# KiCad board FC_V5.kicad_pcb
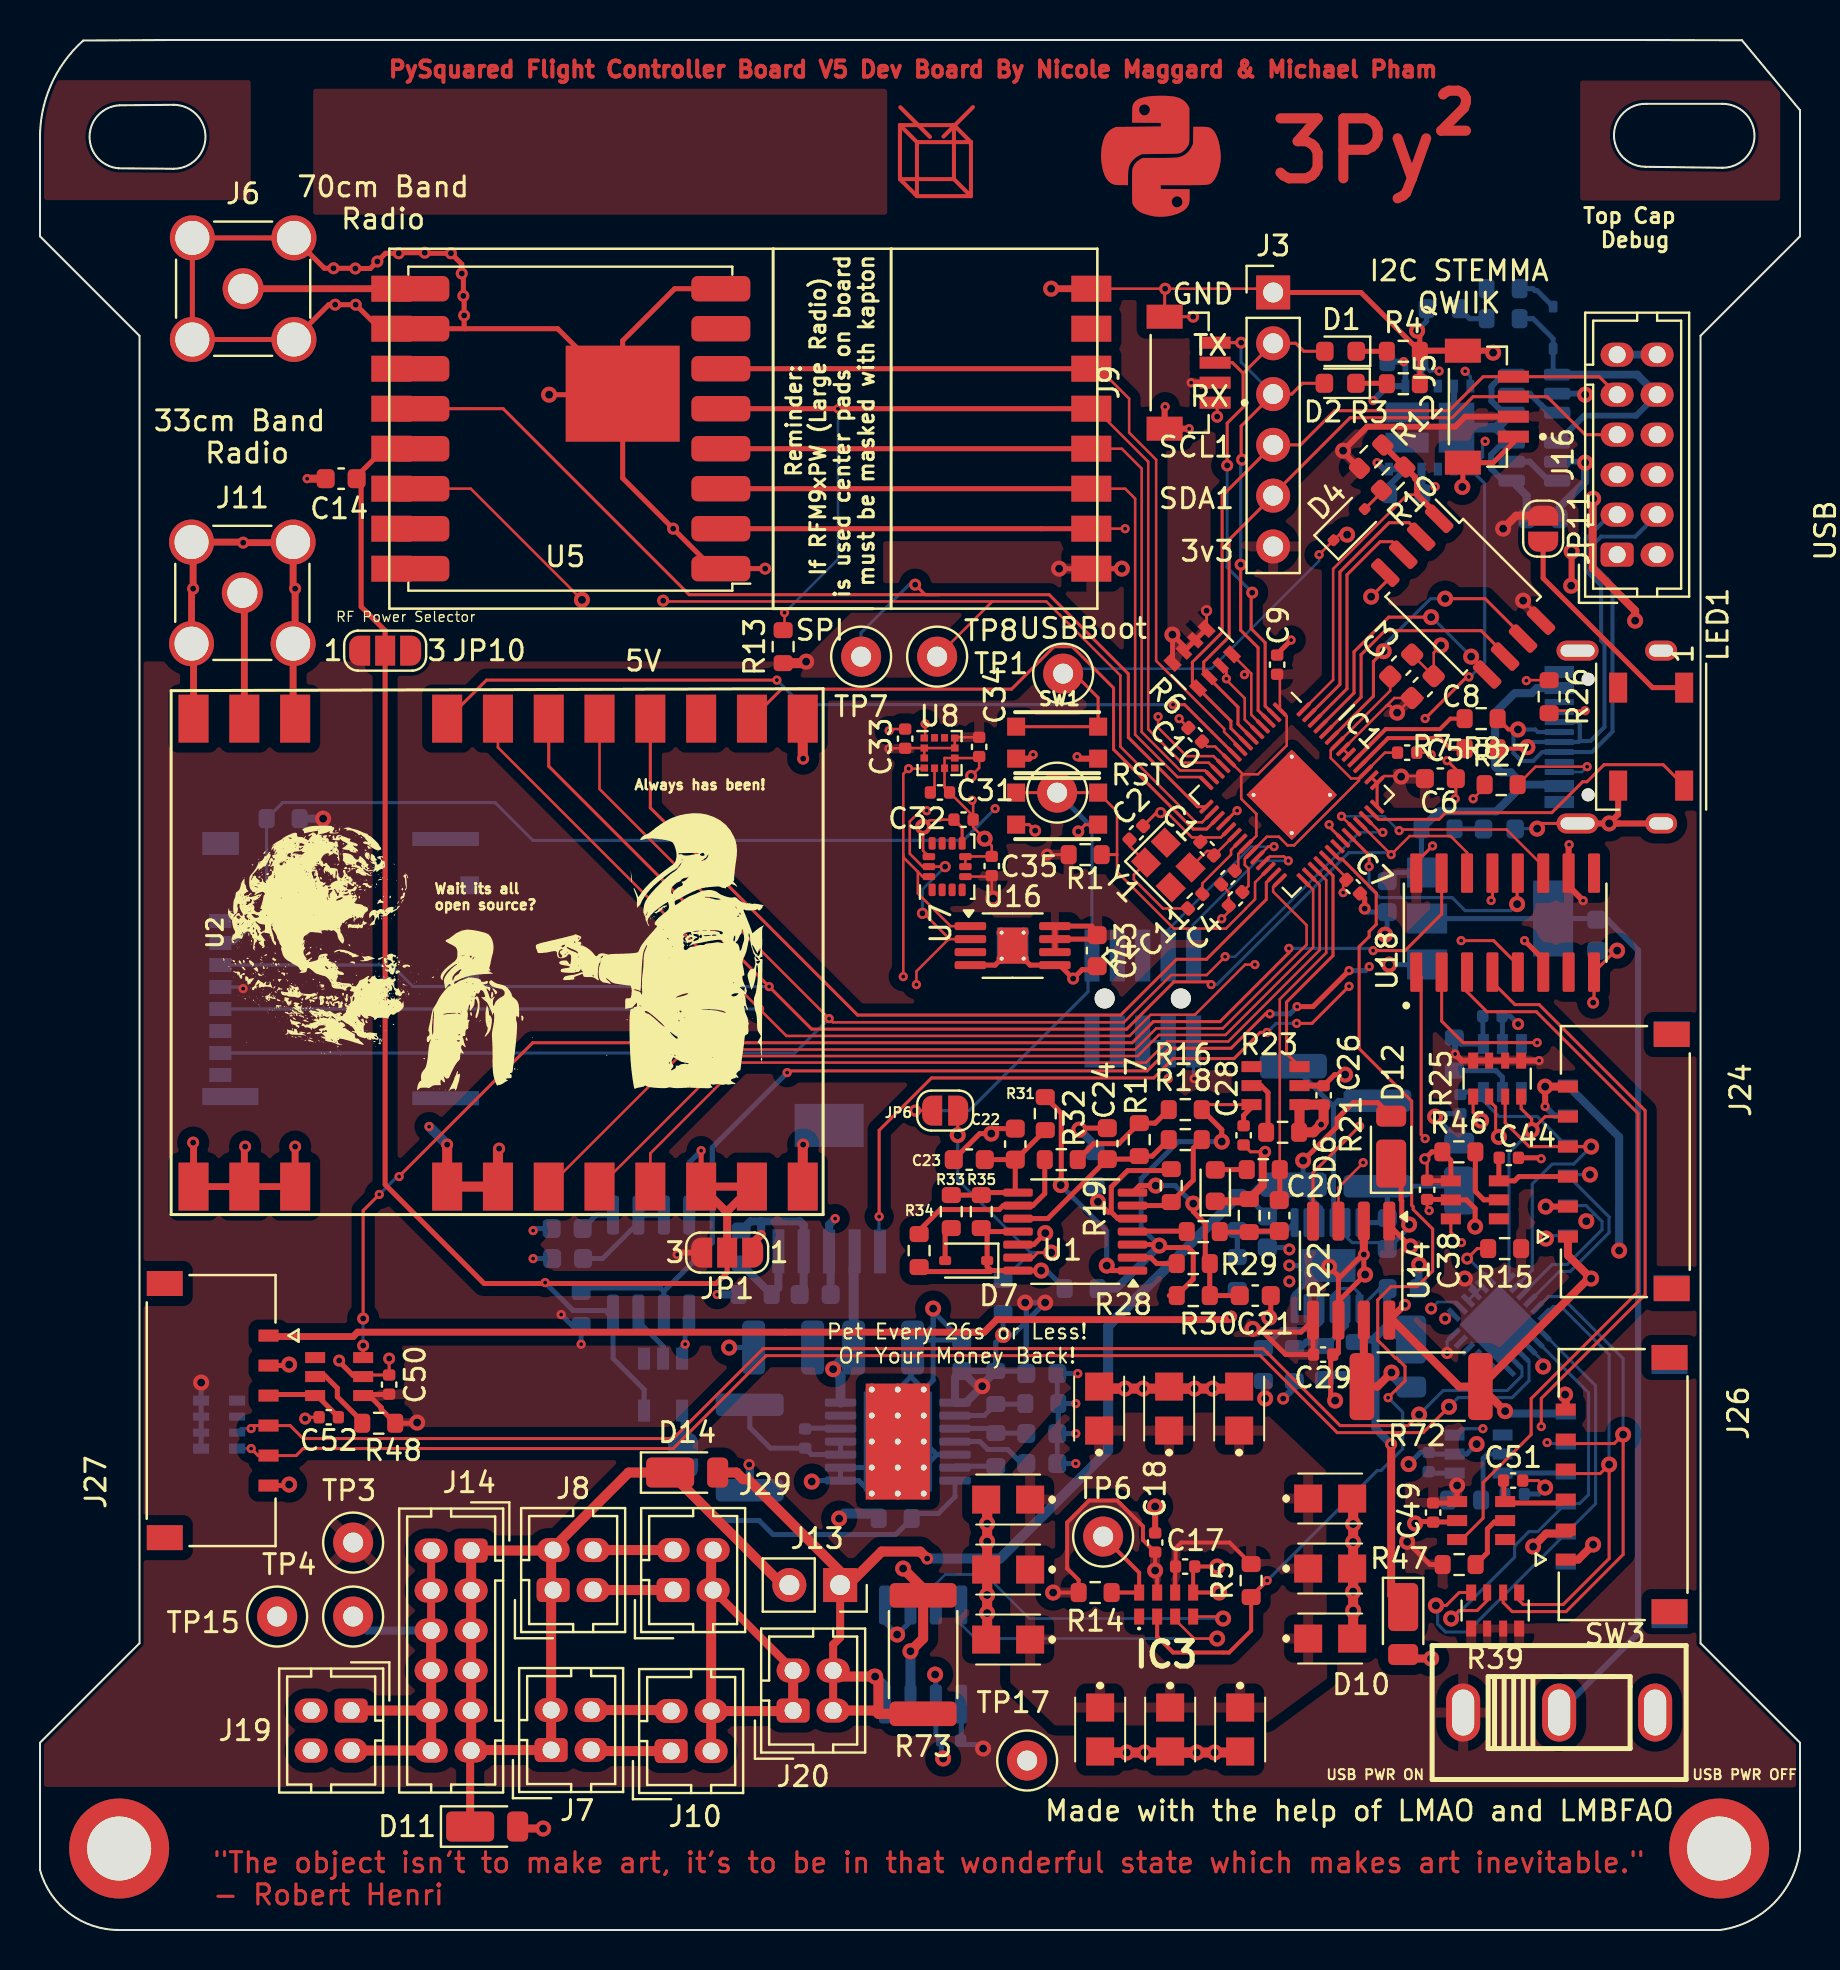
[diagram p0: board, top side]
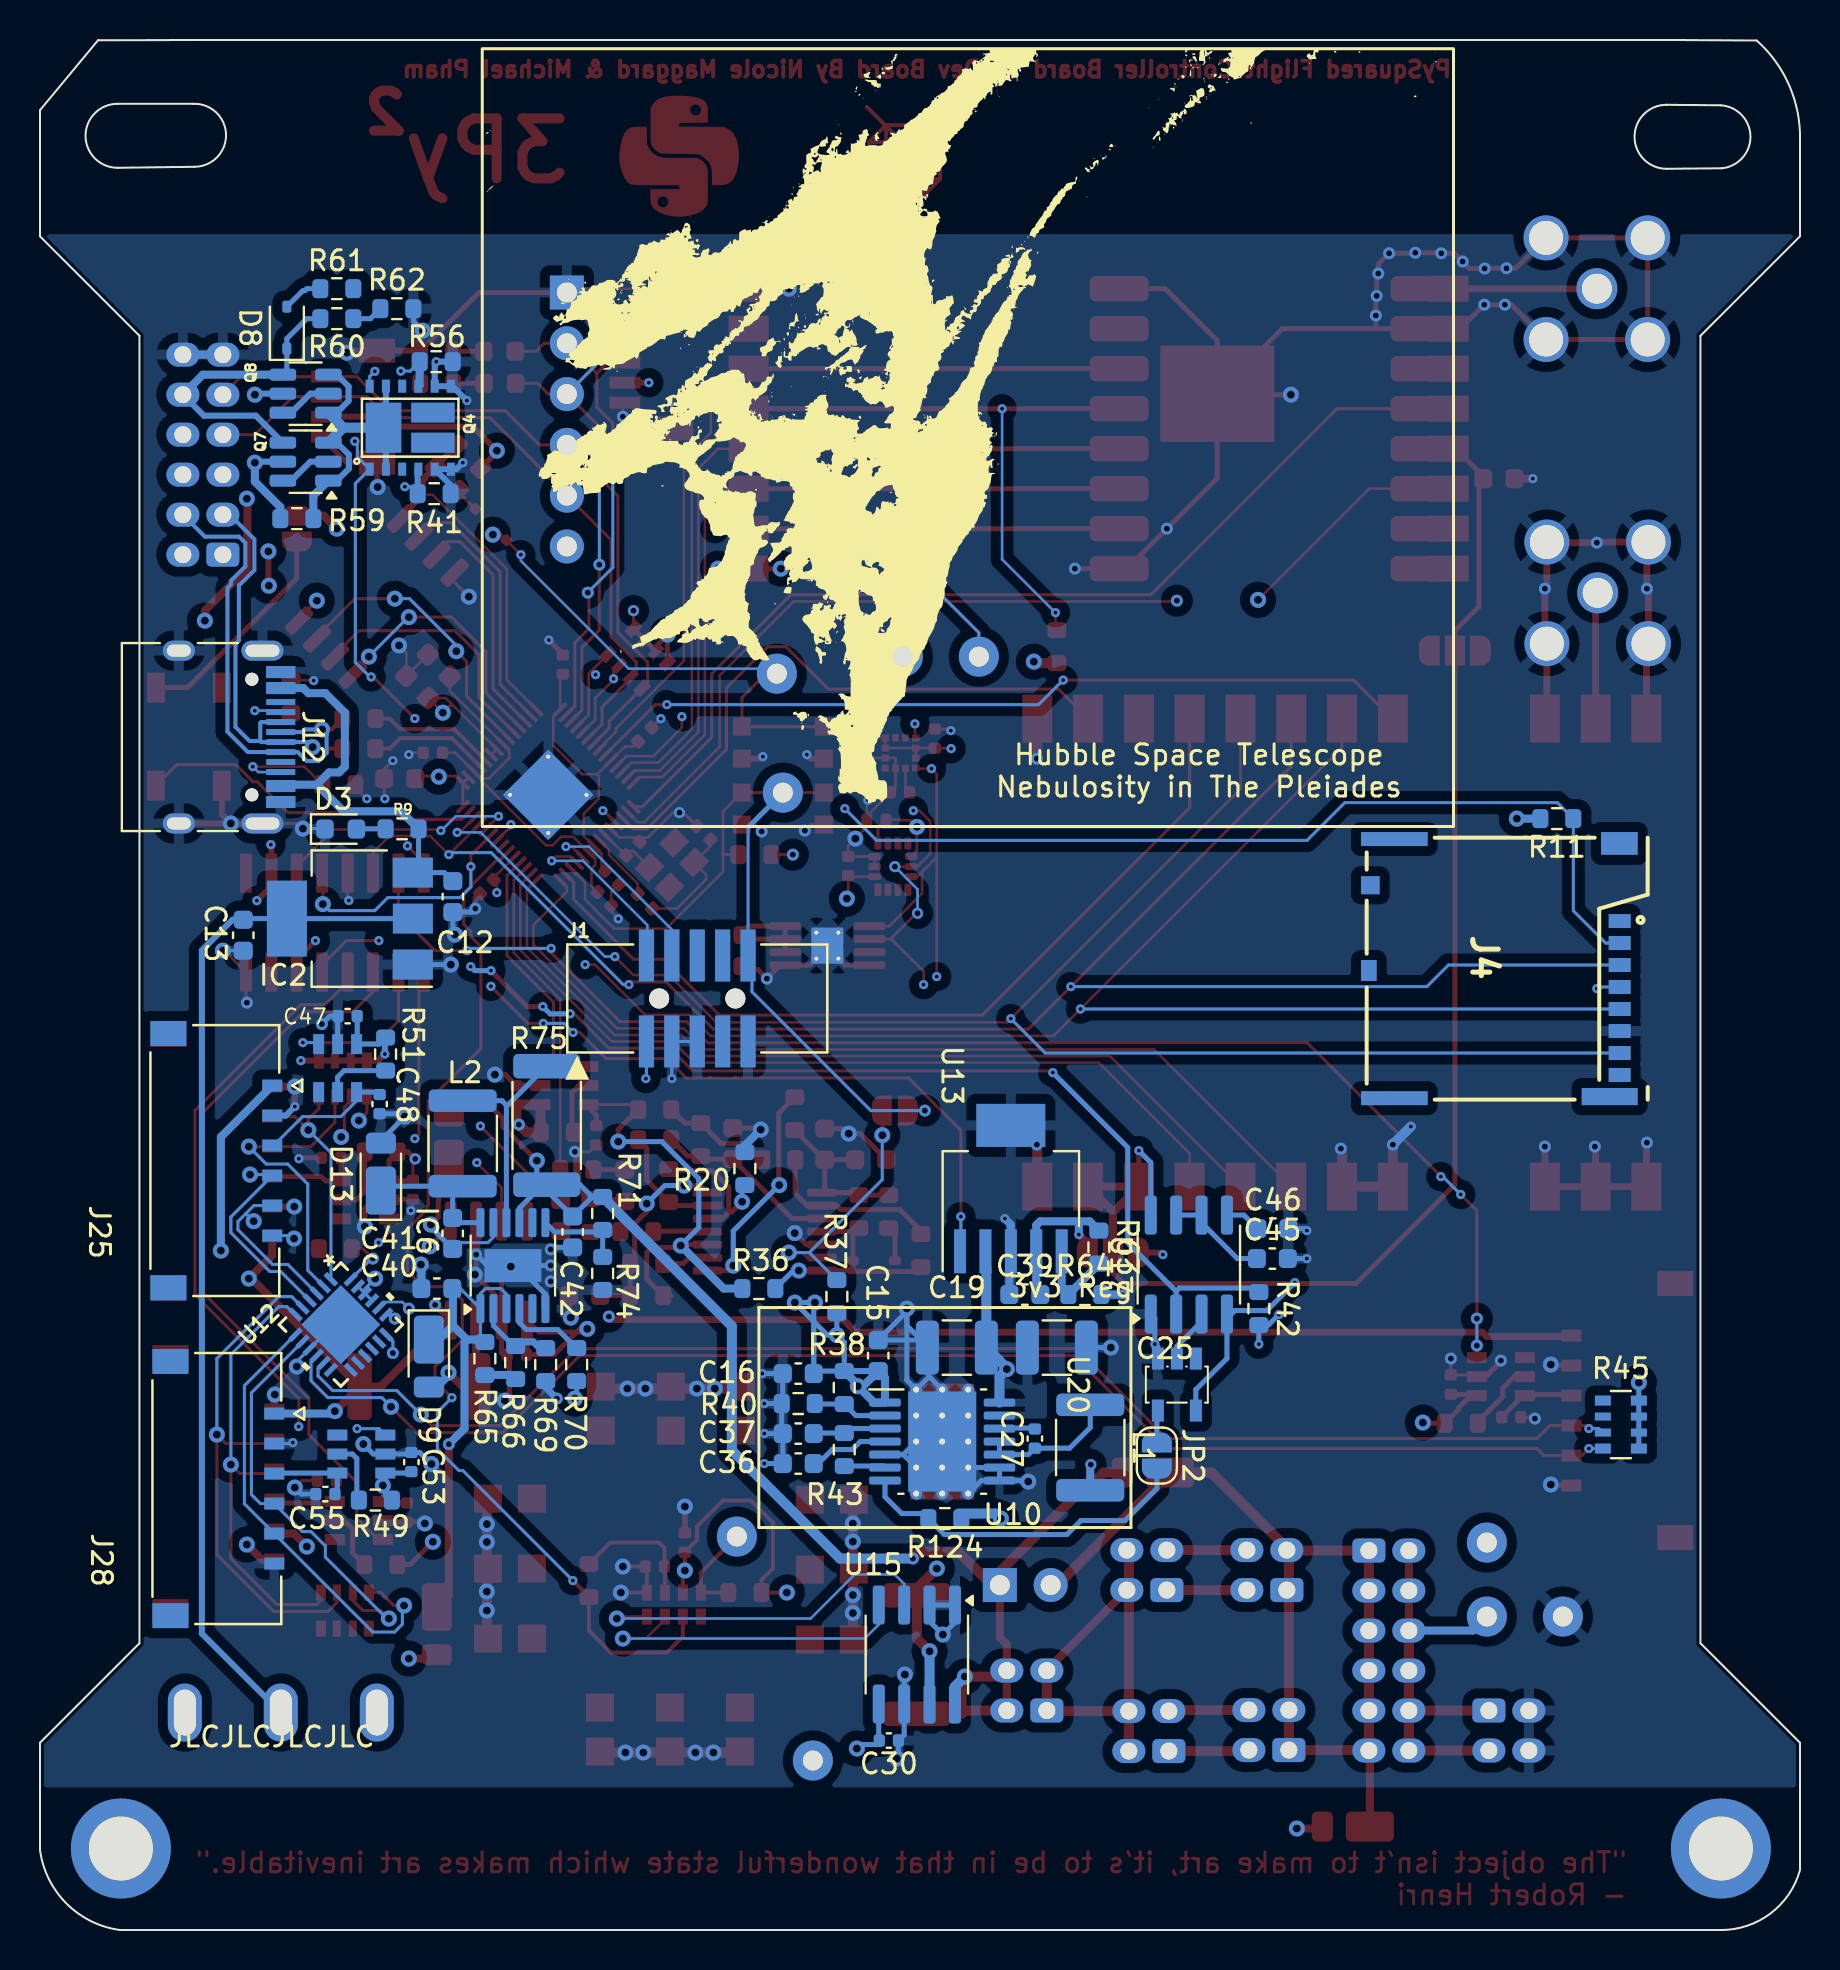
[diagram p1: board, bottom side, seen from below]

Outline 88 x 94.51 mm; copper layers: Top, In1.Cu, In2.Cu, Bottom. Coordinates in mm from the lower left corner of the outline.
Outline path: 0,89.5 arc(0.53,92.23) 2.16,94.49 6.63,94.51 79.66,94.51 85.1,94.5 88,91 88,84.69 83.03,79.72 83.03,14.34 88,9.36 88,4 arc(86.68,1.32) 84,0 4,0 arc(1.49,0.82) 0,3 0,9.36 4.98,14.34 4.98,79.72 0,84.69 0,89.5 ; 3.92,88.1 arc(2.48,89.69) 3.97,91.24 6.67,91.27 arc(8.27,89.67) 6.67,88.07 3.92,88.1 ; 80.27,88.17 arc(78.7,89.77) 80.32,91.32 84.12,91.32 arc(85.72,89.72) 84.12,88.12 80.27,88.17
Stack: Top 0.035mm / dielectric 0.2104mm FR4 er 4.5 / In1.Cu 0.0152mm / dielectric 1.065mm FR4 er 4.5 / In2.Cu 0.035mm / dielectric 0.2104mm FR4 er 4.5 / Bottom 0.035mm

## Placement (name value [footprint] x y rotation side)
C1  22pF  [C_0402_1005Metric]  58.36 54.07 315 top
C2  22pF  [C_0402_1005Metric]  54.82 54.86 225 top
C3  1uF  [C_0603_1608Metric]  68.06 63.23 45 top
C4  100nf  [C_0402_1005Metric]  59.78 51.56 45 top
C5  100nf  [C_0402_1005Metric]  68.36 58.87 180 top
C6  1uF  [C_0603_1608Metric]  70.02 57.57 0 top
C7  100nf  [C_0402_1005Metric]  65.66 52.17 315 top
C8  1uF  [C_0603_1608Metric]  69.14 62.15 45 top
C9  100nf  [C_0402_1005Metric]  61.86 63.27 90 top
C10  100nf  [C_0402_1005Metric]  57.76 59.77 135 top
C11  100nf  [C_0402_1005Metric]  59.4 52.62 225 top
C12  10uF  [C_0603_1608Metric]  67.36 51.67 270 bottom
C13  22uF  [C_0603_1608Metric]  77.84 49.74 270 bottom
C14  10uF  [C_0603_1608Metric]  15.06 72.57 0 top
C15  22uF  [C_0603_1608Metric]  46.09 28.72 270 bottom
C16  22uF  [C_0603_1608Metric]  50.09 27.82 180 bottom
C17  100nf  [C_0402_1005Metric]  57.26 18.17 0 top
C18  100nf  [C_0402_1005Metric]  55.76 19.37 90 top
C19  100uF  [C_1210_3225Metric]  42.16 29.12 0 bottom
C20  10uF  [C_0603_1608Metric]  61.96 35.72 270 top
C21  10uF  [C_0603_1608Metric]  60.76 31.72 180 top
C22  10uF  [C_0603_1608Metric]  48.76 39.3 270 top
C23  10uF  [C_0603_1608Metric]  46.46 38.52 0 top
C24  10uF  [C_0603_1608Metric]  53.36 39.32 270 top
C25  100uF  [C_1210_3225Metric]  37.16 29.12 180 bottom
C26  100nf  [C_0402_1005Metric]  64.18 41.74 90 top
C27  100nf  [C_0402_1005Metric]  38.26 24.57 90 bottom
C28  100nf  [C_0402_1005Metric]  60.18 39.74 270 top
C29  100nf  [C_0402_1005Metric]  64.16 28.77 180 top
C30  100nf  [C_0402_1005Metric]  45.56 9.47 0 bottom
C31  220nf  [C_0402_1005Metric]  45 56.88 0 top
C32  100nf  [C_0402_1005Metric]  46.18 55.52 0 top
C33  100nf  [C_0402_1005Metric]  43.26 59.57 90 top
C34  100nf  [C_0402_1005Metric]  46.96 59.16 270 top
C35  100nf  [C_0402_1005Metric]  47.59 53.2 90 top
C36  3.3nF  [C_0603_1608Metric]  50.09 23.32 0 bottom
C37  1uF  [C_0603_1608Metric]  50.09 24.82 0 bottom
C38  100nf  [C_0402_1005Metric]  69.36 37.01 270 top
C39  10uF  [C_0603_1608Metric]  38.76 31.77 180 bottom
C40  10uF  [C_0603_1608Metric]  68.16 32.07 0 bottom
C41  1uF  [C_0603_1608Metric]  67.37 34.83 270 bottom
C42  10uF  [C_0603_1608Metric]  61.37 34.91 270 bottom
C43  1uF  [C_0603_1608Metric]  52.86 48.97 270 top
C44  100nf  [C_0402_1005Metric]  73.44 38.61 0 top
C45  1uF  [C_0603_1608Metric]  26.38 33.57 180 bottom
C46  10nF  [C_0603_1608Metric]  26.36 35.07 180 bottom
C47  100nf  [C_0402_1005Metric]  72.62 45.7 0 bottom
C48  100nf  [C_0402_1005Metric]  71.02 41.3 270 bottom
C49  100nf  [C_0402_1005Metric]  69.66 20.87 270 top
C50  100nf  [C_0402_1005Metric]  17.46 27.27 90 top
C51  100nf  [C_0402_1005Metric]  73.66 22.47 0 top
C52  100nf  [C_0402_1005Metric]  14.44 25.64 180 top
C53  100nf  [C_0402_1005Metric]  69.43 23.4 90 bottom
C55  100nf  [C_0402_1005Metric]  73.73 21.8 0 bottom
C1017  -  [CPH3225A]  48.71 21.82 180 top
C1018  -  [CPH3225A]  48.71 18.32 180 top
C1019  -  [CPH3225A]  48.71 14.82 180 top
C1020  -  [CPH3225A]  52.71 10.32 270 top
C1021  -  [CPH3225A]  53.26 25.77 90 top
C1022  -  [CPH3225A]  60.26 25.77 90 top
C1023  -  [CPH3225A]  59.71 10.32 270 top
C1024  -  [CPH3225A]  56.21 10.32 270 top
C1025  -  [CPH3225A]  56.76 25.77 90 top
C1026  -  [CPH3225A]  64.21 21.27 0 top
C1027  -  [CPH3225A]  64.21 17.77 0 top
C1028  -  [CPH3225A]  64.21 14.27 0 top
D1  LED  [LED_0603_1608Metric]  65.03 78.94 180 top
D2  LED  [LED_0603_1608Metric]  65.01 77.34 180 top
D3  LED  [LED_0603_1608Metric]  72.97 55.05 180 bottom
D4  NSR0320  [D_SOD-323F]  65.46 70.27 45 top
D6  GREEN  [LED_0603_1608Metric]  58.76 37.22 90 top
D7  1N4151WS  [D_SOD-323]  46.31 33.47 180 top
D8  1N4151WS  [D_SOD-323]  75.66 80.12 90 bottom
D9  DFLS130L-7  [D_PowerDI-123]  68.56 28.67 270 bottom
D10  DFLS130L-7  [D_PowerDI-123]  68.16 15.3 270 top
D11  DFLS130L-7  [D_PowerDI-123]  22.36 5.17 0 top
D12  DFLS130L  [D_PowerDI-123]  67.56 39.17 90 top
D13  DFLS130L-7  [D_PowerDI-123]  70.96 37.82 90 bottom
D14  DFLS130L  [D_PowerDI-123]  32.36 22.87 0 top
G***  -  [LOGO]  56.03 88.1 0 top
G***#2  -  [LOGO]  56.03 88.1 0 top
G***#3  -  [LOGO]  21.76 49.37 0 top
G***#4  -  [LOGO]  27.66 89.07 0 top
G***#5  -  [LOGO]  42.96 74.77 180 bottom
H1  MountingHole  [unnamed]  3.96 4.07 0 top
H2  MountingHole  [unnamed]  83.96 4.07 0 top
IC1  RP2040_QFN56  [QFN-56-1EP_7x7mm_P0.4mm_EP3.2x3.2mm_ThermalVias]  62.59 56.76 315 top
IC2  AZ1117CH-3.3TRG1  [SOT-223]  72.51 50.57 0 bottom
IC3  RV-3028-C7_32.768kHz_1ppm_TA_QC  [RV3028C7]  56.31 16.27 0 top
IC6  LT3652IMSE#PBF  [MSOP-12-1EP_3x4mm_P0.65mm_EP1.65x2.85mm]  64.36 33.22 90 bottom
J1  Conn_ARM_JTAG_SWD_10  [JTAG_2X05_1.27MM_BOX_NOCREAM]  55.14 46.58 180 bottom
J3  Life Makes Lemonade  [PinHeader_1x06_P2.54mm_Vertical]  61.66 81.88 0 top
J4  Molex 503398-1892  [503398-1892-1]  7.62 54.62 270 bottom
J5  BM04B-SRSS-TB(LF)(SN)  [JST_BM04B-SRSS-TB(LF)(SN)]  71.14 76.17 90 top
J6  Conn_Coaxial  [SMA_Amphenol_901-144_Vertical]  10.16 82.07 0 top
J7  INHIBIT_P1  [Hirose_DF11-4DP-2DSA_2x02_P2.00mm_Vertical]  25.56 9 90 top
J8  INHIBIT_S1  [Hirose_DF11-4DP-2DSA_2x02_P2.00mm_Vertical]  25.66 17 90 top
J9  BM04B-SRSS-TB(LF)(SN)  [JST_BM04B-SRSS-TB(LF)(SN)]  56.23 77.87 90 top
J10  INHIBIT_P2  [Hirose_DF11-4DP-2DSA_2x02_P2.00mm_Vertical]  31.56 8.95 90 top
J11  Conn_Coaxial  [SMA_Amphenol_901-144_Vertical]  10.12 66.86 0 top
J12  USB_C_Receptacle_USB2.0_16P  [USB_C_Receptacle_HRO_TYPE-C-31-M-12]  80.01 59.65 270 bottom
J13  Bypass  [PinSocket_1x02_P2.54mm_Vertical]  40.01 17.25 270 top
J14  Battery Input  [Hirose_DF11-12DP-2DSA_2x06_P2.00mm_Vertical]  21.56 18.97 270 top
J16  DEBUG  [Hirose_DF11-12DP-2DSA_2x06_P2.00mm_Vertical]  78.86 68.77 90 top
J19  ISS_INHIBIT  [Hirose_DF11-4DP-2DSA_2x02_P2.00mm_Vertical]  15.56 10.97 270 top
J20  ISS_INHIBIT  [Hirose_DF11-4DP-2DSA_2x02_P2.00mm_Vertical]  37.66 10.97 90 top
J24  Face0  [MOLEX_5040500691]  79.27 38.42 270 top
J25  Face1  [MOLEX_5040500691]  79.26 38.47 90 bottom
J26  Face2  [MOLEX_5040500691]  79.16 22.27 270 top
J27  Face4  [MOLEX_5040500691]  8.56 25.97 90 top
J28  Face4  [MOLEX_5040500691]  79.16 22.07 90 bottom
J29  INHIBIT_S2  [Hirose_DF11-4DP-2DSA_2x02_P2.00mm_Vertical]  31.66 17 90 top
JP1  Jumper_3_Bridged12  [SolderJumper-3_P1.3mm_Open_RoundedPad1.0x1.5mm_NumberLabels]  34.36 33.87 180 top
JP2  SolderJumper_2_Open  [SolderJumper-2_P1.3mm_Open_RoundedPad1.0x1.5mm]  32.16 23.72 270 bottom
JP6  SolderJumper_2_Open  [SolderJumper-2_P1.3mm_Open_RoundedPad1.0x1.5mm]  45.26 40.97 180 top
JP10  Jumper_3_Open  [SolderJumper-3_P1.3mm_Open_RoundedPad1.0x1.5mm_NumberLabels]  17.26 63.97 0 top
JP11  SolderJumper_2_Open  [SolderJumper-2_P1.3mm_Open_RoundedPad1.0x1.5mm#2]  75.16 70.07 270 top
L1  3.3uH  [L_1812_4532Metric]  35.49 24.12 270 bottom
L2  10uH  [L_1812_4532Metric]  66.87 39.33 90 bottom
LED1  WS2812B_SK6812_1515  [LED_WS2812B_PLCC4_5.0x5.0mm_P3.2mm]  80.56 59.67 270 top
Q4  -  [FDMQ86530L]  69.49 75.12 180 bottom
Q7  DMP2240UDM-7  [SOT-23-6]  74.72 73.42 0 bottom
Q8  DMP2240UDM-7  [SOT-23-6]  74.72 76.82 0 bottom
R1  10k  [R_0603_1608Metric]  52.26 53.77 0 top
R2  1k  [R_0402_1005Metric]  57.76 51.44 225 top
R3  1k  [R_0603_1608Metric]  68.17 77.32 0 top
R4  1k  [R_0603_1608Metric]  68.17 78.94 0 top
R5  10k  [R_0603_1608Metric]  60.56 17.47 90 top
R6  10k  [R_Array_Convex_4x0603]  58.11 63.58 135 top
R7  22  [R_0603_1608Metric]  72.06 59.07 0 top
R8  22  [R_0603_1608Metric]  72.06 60.57 0 top
R9  10k  [R_0603_1608Metric]  69.9 55.06 0 bottom
R10  1k  [R_0603_1608Metric]  67.66 72.57 225 top
R11  10k  [R_0603_1608Metric]  12.16 55.57 0 bottom
R12  10k  [R_0603_1608Metric]  66.56 73.67 45 top
R13  10k  [R_0603_1608Metric]  37.16 64.17 90 top
R14  10k  [R_0603_1608Metric]  52.76 16.87 180 top
R15  10K  [R_0603_1608Metric]  73.23 34.07 180 top
R16  10k  [R_0603_1608Metric]  57.26 41.02 180 top
R17  10k  [R_0603_1608Metric]  54.96 39.52 270 top
R18  10k  [R_0603_1608Metric]  57.26 39.52 0 top
R19  3.0k  [R_0603_1608Metric]  56.56 37.22 90 top
R20  3.0k  [R_0603_1608Metric]  52.76 38.07 90 bottom
R21  3.0k  [R_0603_1608Metric]  61.16 38.02 180 top
R22  10k  [R_0603_1608Metric]  60.46 35.72 90 top
R23  47k  [R_0603_1608Metric]  62.13 39.89 180 top
R25  10k  [R_Array_Convex_4x0603]  72.86 42.57 90 top
R26  5.1k  [R_0603_1608Metric]  75.46 61.67 270 top
R27  5.1k  [R_0603_1608Metric]  73.06 57.27 0 top
R28  10k  [R_0603_1608Metric]  58.16 34.92 180 top
R29  1k  [R_0603_1608Metric]  57.66 33.32 0 top
R30  100k  [R_0603_1608Metric]  57.66 31.72 0 top
R31  1k  [R_0603_1608Metric]  50.26 40.82 270 top
R32  100k  [R_0603_1608Metric]  51.06 38.52 0 top
R33  100k  [R_0603_1608Metric]  45.56 35.92 90 top
R34  100k  [R_0603_1608Metric]  43.96 33.97 270 top
R35  4.7M  [R_0603_1608Metric]  47.06 35.92 90 top
R36  100k  [R_0603_1608Metric]  52.06 32.07 0 bottom
R37  100k  [R_0603_1608Metric]  48.16 31.67 270 bottom
R38  73.2K  [R_0603_1608Metric]  47.79 27.12 90 bottom
R39  10k  [R_Array_Convex_4x0603]  72.76 15.97 270 top
R40  22.1K  [R_0603_1608Metric]  50.09 26.32 180 bottom
R41  10k  [R_0603_1608Metric]  68.29 71.82 180 bottom
R42  10k  [R_0603_1608Metric]  27.06 31.07 270 bottom
R43  100K  [R_0603_1608Metric]  47.79 24.02 90 bottom
R45  10k  [R_Array_Convex_4x0603]  8.96 25.27 180 bottom
R46  47k  [R_0603_1608Metric]  70.94 38.91 0 top
R47  47k  [R_0603_1608Metric]  70.96 18.27 0 top
R48  47k  [R_0603_1608Metric]  16.94 25.34 180 top
R49  47k  [R_0603_1608Metric]  71.23 21.5 0 bottom
R51  47k  [R_0603_1608Metric]  70.72 43.8 270 bottom
R56  10k  [R_0603_1608Metric]  68.19 78.42 180 bottom
R59  10k  [R_0603_1608Metric]  75.16 70.57 180 bottom
R60  1k  [R_0603_1608Metric]  73.16 82.07 0 bottom
R61  47k  [R_0603_1608Metric]  73.16 80.57 180 bottom
R62  10k  [R_0603_1608Metric]  70.16 81.07 180 bottom
R63  10K  [R_0603_1608Metric]  35.06 34.15 270 bottom
R64  3.3K  [R_0603_1608Metric]  35.76 31.77 180 bottom
R65  100K  [R_0603_1608Metric]  65.76 28.57 270 bottom
R66  100k  [R_0603_1608Metric]  64.22 28.37 90 bottom
R69  94k  [R_0603_1608Metric]  62.72 28.27 90 bottom
R70  10K  [R_0603_1608Metric]  61.17 28.27 90 bottom
R71  634k  [R_0603_1608Metric]  59.87 35.83 90 bottom
R72  0.002  [R_2512_6332Metric]  69.06 27.17 0 top
R73  0.002  [R_2512_6332Metric]  44.16 13.77 270 top
R74  412k  [R_0603_1608Metric]  59.87 32.83 90 bottom
R75  0.1  [R_2512_6332Metric]  62.67 40.23 90 bottom
R124  10k  [R_0603_1608Metric]  42.76 20.57 0 bottom
SW1  KMR2  [BTN_KMR2_4.6X2.8]  50.86 59.37 0 top
SW2  KMR2  [BTN_KMR2_4.6X2.8]  50.86 56.07 0 top
SW3  SW_Push_SPDT  [SW-TH_SHOU-HAN_SS12D10G4]  75.96 10.87 0 top
TP1  USBBOOT  [TestPoint_Loop_D1.80mm_Drill1.0mm_Beaded]  51.16 62.82 0 top
TP2  RESET  [TestPoint_Loop_D1.80mm_Drill1.0mm_Beaded]  50.86 56.87 0 top
TP3  TestPoint  [TestPoint_Loop_D1.80mm_Drill1.0mm_Beaded]  15.66 19.37 0 top
TP4  TestPoint  [TestPoint_Loop_D1.80mm_Drill1.0mm_Beaded]  15.66 15.67 0 top
TP6  RESET  [TestPoint_Loop_D1.80mm_Drill1.0mm_Beaded]  53.16 19.67 0 top
TP7  RESET  [TestPoint_Loop_D1.80mm_Drill1.0mm_Beaded]  41.06 63.67 0 top
TP8  RESET  [TestPoint_Loop_D1.80mm_Drill1.0mm_Beaded]  44.86 63.67 0 top
TP15  TestPoint  [TestPoint_Loop_D1.80mm_Drill1.0mm_Beaded]  11.86 15.67 0 top
TP17  TestPoint  [TestPoint_Loop_D1.80mm_Drill1.0mm_Beaded]  49.36 8.47 0 top
U1  TLV1704  [TSSOP-14_4.4x5mm_P0.65mm]  51.76 34.92 180 top
U2  -  [E22-400M30S]  2.22 60.87 270 top
U3  AP22652  [SOT26]  61.78 42.22 90 top
U4  -  [RFM98PW]  35.17 74.57 180 top
U5  RFM9xBreakout  [HOPERF_RFM9XW_SMD]  26.52 75.07 180 top
U6  W25Q128JV  [SOIC-8_5.275x5.275mm_P1.27mm]  71.16 66.67 315 top
U7  LSM6DSOTR  [LGA-14_3x2.5mm_P0.5mm_LayoutBorder3x4y]  45.36 53.17 90 top
U8  LSM303AGRTR  [LGA-12_2x2mm_P0.5mm]  44.98 58.85 0 top
U10  TPS54226PWPRPWP14_2P31X2P46-L  [HTSSOP-14-1EP_4.4x5mm_P0.65mm_EP3.4x5mm_Mask3x3.1mm_ThermalVias]  42.89 24.42 180 bottom
U12  TCA9548ARGERQ1  [QFN_GERQ1_TEX]  72.96 30.27 225 bottom
U13  TPS7A4501DCQT  [SOT-223-6]  39.46 37.07 90 bottom
U14  INA219AxD  [SOIC-8_3.9x4.9mm_P1.27mm]  65.56 32.97 270 top
U15  INA219AxD  [SOIC-8_3.9x4.9mm_P1.27mm]  44.16 13.77 270 bottom
U16  MCP9808T-E/MS  [MSOP-8-1EP_3x3mm_P0.65mm_EP1.5x1.8mm_ThermalVias]  48.63 49.22 0 top
U17  LMC555CMX/NOPB  [SOIC-8_3.9x4.9mm_P1.27mm]  30.56 33.27 90 bottom
U18  SN74HC595DR  [SOIC127P600X175-16N]  73.26 50.37 90 top
U19  AP22652  [SOT26]  71.74 36.51 270 top
U20  74LVC1G04  [SOT-23-5_L3.0-W1.7-P0.95-LS2.8-BR]  31.16 27.27 90 bottom
U21  AP22652  [SOT26]  73.12 43.1 0 bottom
U22  AP22652  [SOT26]  72.06 20.47 270 top
U23  AP22652  [SOT26]  14.96 27.67 90 top
U24  AP22652  [SOT26]  71.93 23.8 90 bottom
Y1  12MHZ  [Crystal_SMD_2520-4Pin_2.5x2.0mm]  56.41 53.26 315 top

## Library data of the parts
C14 C39 = -: Description: 10uF +-20% 10V X5R; ki_fp_filters: C_*
C15 C16 = -: Description: 22uF +-20% 10V X5R
C19 C25 = -: Description: 100uF 16V X5R 1210
C20-C24 = -: Description: 10 µF ±10% 16V Ceramic Capacitor X5R 0603 (1608 Metric); DPN: 490-12317-1-ND; DST: Digi-Key; MFR: Murata; MPN: GRT188R61C106KE13D; ki_fp_filters: C_*
C36 = -: Description: 3.3nF +-10% 100V X7R 0603
C37 C45 = -: Description: 1uF 0603 X7R
C40-C42 = -: Description: 10uF +-20% 10V X5R
C43 = -: ki_fp_filters: C_*
C46 = -: Description: 10nF +-20% 10V X5R
C1017-C1028 = -: Datasheet: https://www.sii.co.jp/en/me/datasheets/chip-capacitor/cph3225a/; Description: Supercapacitors / Ultracapacitors Reflow EDLC 3.3V, 11mF, 160 Ohm; Height: 1; Mouser Part Number: 628-CPH3225A; Mouser Price/Stock: https://www.mouser.com/Search/Refine.aspx?Keyword=628-CPH3225A; Manufacturer_Name: Seiko Epson Corporation
D1-D3 = -: ki_fp_filters: LED* LED_SMD:* LED_THT:*
D4 = -: Datasheet: https://fscdn.rohm.com/en/products/databook/datasheet/discrete/diode/switching/1ss355vmte-17-e.pdf; Sim.Device: D; Sim.Pins: 1=K 2=A; ki_fp_filters: D*SOD?323F*
D6 = -: Description: Green 520nm LED Indication - Discrete 3.2V 0603 (1608 Metric) - 430 mcd @ 20 mA; DPN: 732-4971-1-ND; DST: Digi-Key; MFR: Wurth; MPN: 150060GS75000; ki_fp_filters: LED* LED_SMD:* LED_THT:*
D7 D8 = -: Datasheet: https://www.vishay.com/docs/85847/1n4151ws.pdf; Description: Diode Standard 50V 150mA Surface Mount SOD-323; DPN: 112-1N4151WS-E3-08CT-ND; DST: Digi-Key; MFR: Vishay; MPN: 1N4151WS-E3-08
D9-D11 D13 = -: ki_fp_filters: TO-???* *_Diode_* *SingleDiode* D_*
D12 D14 = -: Description: Schottky diode; Flight: DFLS130L-7; Manufacturer_Name: Diodes Incorporated; Manufacturer_Part_Number: DFLS130L-7; DNI: DNI; ki_fp_filters: TO-???* *_Diode_* *SingleDiode* D_*
H1 H2 = -: Description: Mounting Hole without connection; ki_fp_filters: MountingHole*
IC1 = -: Datasheet: https://datasheets.raspberrypi.com/rp2040/rp2040-datasheet.pdf
IC2 = -: Datasheet: https://datasheet.datasheetarchive.com/originals/distributors/Datasheets-DGA25/1776204.pdf; Description: 1.35A 3.3V LDO Reg. Current Limit SOT223 DiodesZetex AZ1117CH-3.3TRG1, LDO Voltage Regulator, 0.8A, 3.3 V +/-1%, maximum of 15 Vin, 3-Pin SOT-223; Height: 1.8; Manufacturer_Name: Diodes Inc.; Mouser Part Number: 621-AZ1117CH-3.3TRG1; Mouser Price/Stock: https://www.mouser.co.uk/ProductDetail/Diodes-Incorporated/AZ1117CH-3.3TRG1?qs=FKu9oBikfSm7ntaG6olPSQ%3D%3D
IC3 = -: Datasheet: https://www.mouser.de/datasheet/2/530/RV_3028_C7-1524919.pdf; Description: Real Time Clock 32.768kHz I2C Time Acc. 1ppm; Height: 0.8; Mouser Part Number: 428-203591-MG01; Mouser Price/Stock: https://www.mouser.co.uk/ProductDetail/Micro-Crystal/RV-3028-C7-32.768kHz-1ppm-TA-QC?qs=u16ybLDytRaU7ZFJl2AxfQ%3D%3D; Manufacturer_Name: Micro Crystal AG; Manufacturer_Part_Number: RV-3028-C7 32.768kHz 1ppm TA QC
IC6 = -: Datasheet: https://www.analog.com/media/en/technical-documentation/data-sheets/3652fe.pdf; Description: Battery Management Power Tracking 2A Battery Charger for Solar Power; Height: 1.1; Mouser Part Number: 584-LT3652IMSE#PBF; Mouser Price/Stock: https://www.mouser.co.uk/ProductDetail/Analog-Devices/LT3652IMSEPBF?qs=hVkxg5c3xu%2FU%2FMmx%252BnQrjg%3D%3D; Manufacturer_Name: Analog Devices
J1 = -: Datasheet: http://infocenter.arm.com/help/topic/com.arm.doc.ddi0314h/DDI0314H_coresight_components_trm.pdf; ki_fp_filters: PinHeader?2x05?P1.27mm*
J3 J13 = -: ki_fp_filters: Connector*:*_1x??_*
J4 = -: Datasheet: http://www.molex.com/webdocs/datasheets/pdf/en-us//5033981892_MEMORY_CARD_SOCKET.pdf; Description: MicroSD SMT Push-Push 1.28mm height MicroSD SMT Push-Push 1.28mm height; Flight: 5031821852; Manufacturer_Name: Molex; Manufacturer_Part_Number: 503398-1892; Mouser Part Number: 538-503398-1892; Mouser Price/Stock: https://www.mouser.co.uk/ProductDetail/Molex/503398-1892?qs=b0v8CoHHvSMxV%252BW12iKaSg%3D%3D; Proto: 5031821852
J5 = -: MANUFACTURER: JST Sales America Inc.; MAXIMUM_PACKAGE_HEIGHT: 6.3 mm; PARTREV: N/A; STANDARD: Manufacturer Recommendations
J6 = -: LCSC: C3174425; ki_fp_filters: *BNC* *SMA* *SMB* *SMC* *Cinch* *LEMO*
J7 J8 J10 J19 J20 J29 = -: Description: Generic connector, double row, 02x02, odd/even pin numbering scheme (row 1 odd numbers, row 2 even numbers), script generated (kicad-library-utils/schlib/autogen/connector/); ki_fp_filters: Connector*:*_2x??_*
J9 = -: PARTREV: N/A; STANDARD: Manufacturer Recommendations; MAXIMUM_PACKAGE_HEIGHT: 6.3 mm; MANUFACTURER: JST Sales America Inc.
J11 = -: ki_fp_filters: *BNC* *SMA* *SMB* *SMC* *Cinch* *LEMO*
J12 = -: Datasheet: https://www.usb.org/sites/default/files/documents/usb_type-c.zip; Description: USB 2.0-only 16P Type-C Receptacle connector; ki_fp_filters: USB*C*Receptacle*
J14 J16 = -: Description: Generic connector, double row, 02x06, odd/even pin numbering scheme (row 1 odd numbers, row 2 even numbers), script generated (kicad-library-utils/schlib/autogen/connector/); ki_fp_filters: Connector*:*_2x??_*
J24-J28 = -: Description: Generic connector, single row, 01x06, script generated (kicad-library-utils/schlib/autogen/connector/); ki_fp_filters: Connector*:*_1x??_*
JP1 = -: Description: Vertical Header - 0.1in (2.54mm); DNI: DNI; ki_fp_filters: Jumper* TestPoint*3Pads* TestPoint*Bridge*
JP2 JP6 JP11 = -: ki_fp_filters: SolderJumper*Open*
JP10 = -: ki_fp_filters: Jumper* TestPoint*3Pads* TestPoint*Bridge*
L1 = -: Description: 3.3uH Shielded Inductor; Flight: SPM5030T-3R3M-HZ; Manufacturer_Name: TAI-TECH; Manufacturer_Part_Number: HPC5040NF-3R3MTH; Proto: HPC5040NF-3R3MTH; ki_fp_filters: Choke_* *Coil* Inductor_* L_*
L2 = -: Datasheet: https://datasheet.lcsc.com/szlcsc/1910111502_3L-COILS-SNR5040K-330M_C326321.pdf; Description: 33uH Shielded Inductor; Flight: SLF6028T-330MR69-PF; Manufacturer_Name: 3L COILS; Manufacturer_Part_Number: SNR5040K-330M; Proto: SNR5040K-330M; ki_fp_filters: Choke_* *Coil* Inductor_* L_*
Q4 = -: Datasheet: https://www.onsemi.com/pdf/datasheet/fdmq86530l-d.pdf; Description: Mosfet Array 4 N-Channel (H-Bridge) 60V 8A 1.9W Surface Mount 12-MLP (5x4.5); DPN: FDMQ86530LCT-ND; DST: Digi-Key; MFR: ON Semiconductor
Q7 Q8 = -: Datasheet: https://www.diodes.com/assets/Datasheets/ds31197.pdf; Description: Mosfet Array 2 P-Channel (Dual) 20V 2A 600mW Surface Mount SOT-26; DPN: DMP2240UDMDICT-ND; DST: Digi-Key; MFR: Diodes Inc